# Altium PCB Zynq-Video-Board.PcbDoc (part 3 of 7) (continued)
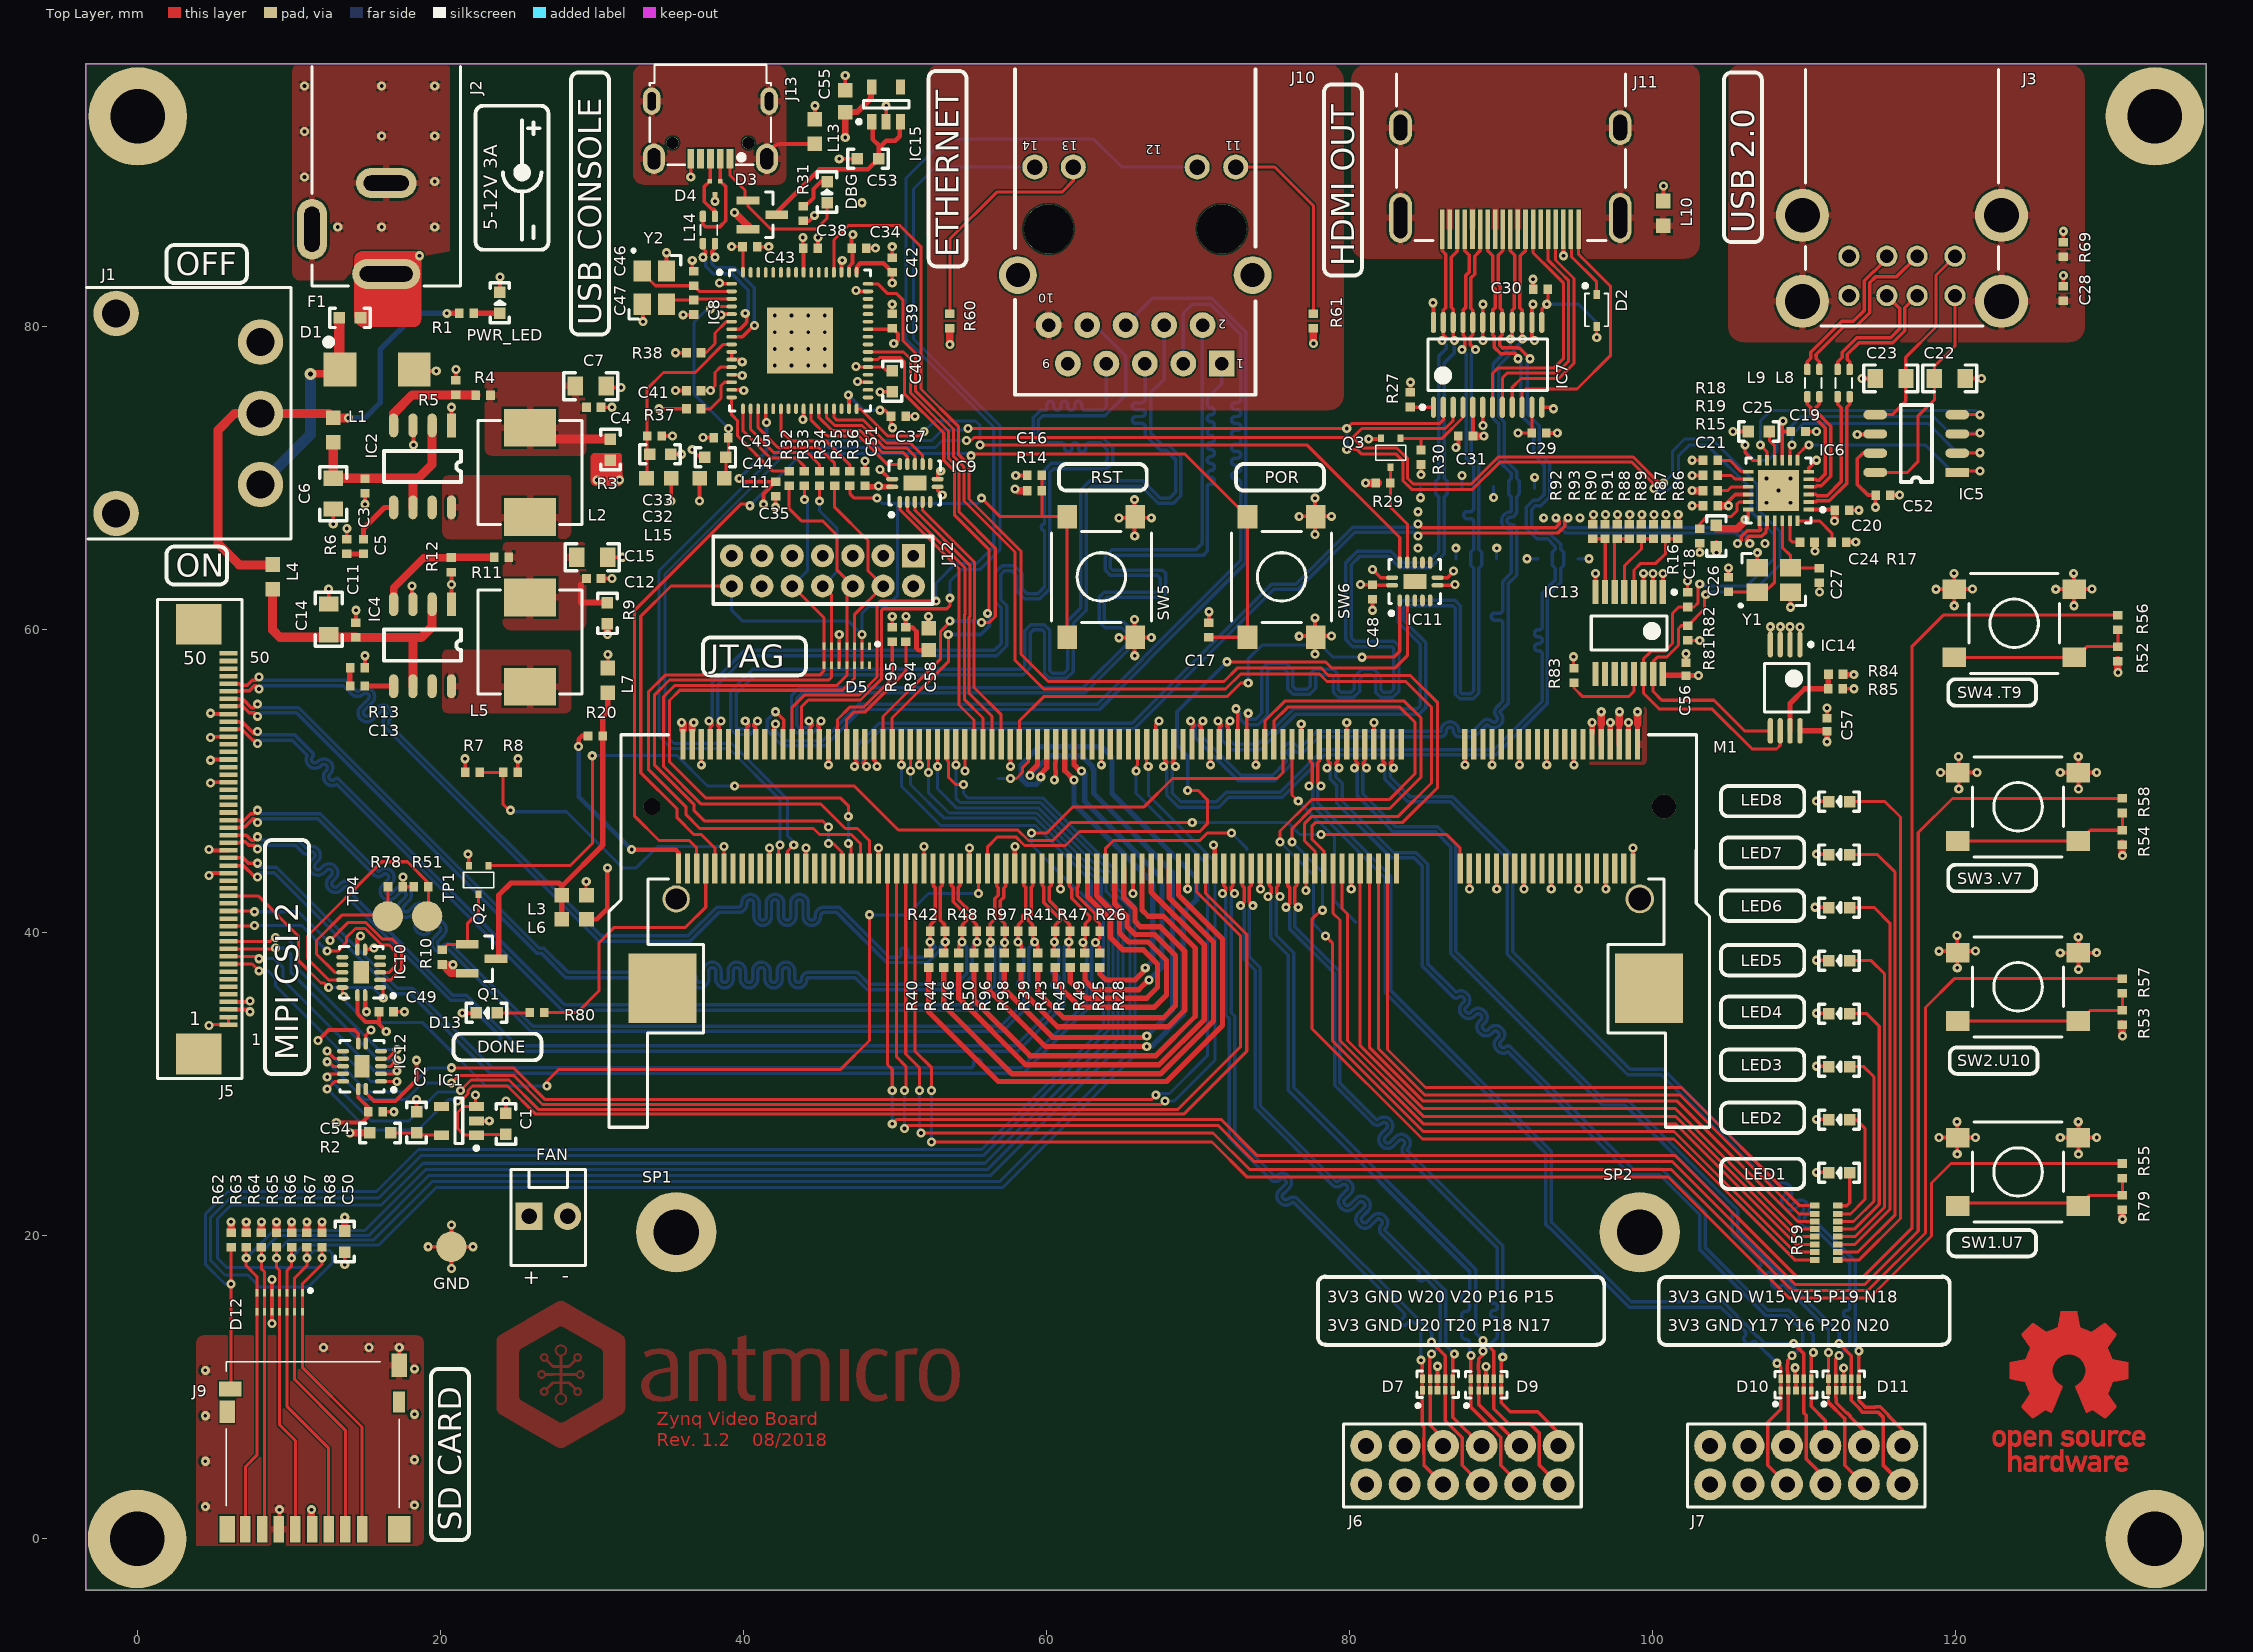
[diagram p0: Top Layer view]
## Nets (pads, with @x,y where several pads share a name; then routed paths per layer and width w, separated by ;. In a path a pad name is that pad's centre, name@x,y a point inside that pad or via, vN(x,y) a via of type N, cw(c..) or ccw(c..) an arc to the next point about the centre after c; other vN are vias at no path point) (continued)
LP_CSI2_CLK_P: M1.121 R98.2 | length 39.6
  Top Layer w0.35: R98.2@57.25,37.72 57.25,36.3 60.45,33.1 v1@66.45,33.1 ; v1@58.95,50.6 59.441,51.091 M1.121@59.441,52.449
  Bottom Layer w0.35: v1(58.95,50.4) 58.95,50.413 60.237,51.7 62.35,51.7 63.075,50.975 63.075,50.862 63.15,50.787 63.15,49.2 68.35,44 68.35,34.9 v1(66.65,33.2)
LP_CSI2_D0_N: M1.96 R46.2 | length 32.7
  Top Layer w0.35: R46.2@54.25,37.72 54.25,35.7 58.65,31.3 67.45,31.3 70.45,34.3 70.45,39.2 66.941,42.709 M1.96@66.941,44.249
LP_CSI2_D0_P: M1.98 R50.2 | length 31.1
  Top Layer w0.35: R50.2@55.25,37.72 55.25,35.58 58.93,31.9 67.25,31.9 69.85,34.5 69.85,39 67.75,41.1 66.75,41.1 66.341,41.509 M1.98@66.341,44.249
LP_CSI2_D1_N: M1.90 R40.2 | length 37.3
  Top Layer w0.35: R40.2@52.25,37.72 52.25,34.8 56.85,30.2 67.95,30.2 71.65,33.9 71.65,39.6 68.741,42.509 M1.90@68.741,44.249
LP_CSI2_D1_P: M1.92 R44.2 | length 34.9
  Top Layer w0.35: R44.2@53.25,37.72 53.25,35.2 57.75,30.7 67.55,30.7 71.05,34.2 71.05,39.4 68.141,42.309 M1.92@68.141,44.249
MIO_SCL_3V3: IC7.2 IC13.14 IC14.6 M1.178 R82.1 | length 148.9
  Top Layer w0.2: M1.178@42.341,44.249 42.341,45.691 v1(42.45,45.8) ; v1(54.85,73.3) v1(79.85,73.3) 80.17,73.62 85.97,73.62 86.225,73.875 IC7.2@86.225,74.7 ; v1(79.85,71.9) 80.55,71.9 80.85,71.6 83.122,71.6 83.55,71.172 83.55,69.872 84.142,69.28 88.158,69.28 89.978,71.1 98.65,71.1 v1@100.25,69.5 ; R82.1@102.15,61.62 102.05,61.52 101.77,61.52 101.35,61.1 101.35,59.1 100.85,58.6 99.95,58.6 99.443,58.093 IC13.14@99.443,57.1 99.443,55.827 100.5,54.77 103.98,54.77 106.61,52.14 108.22,52.14 108.465,52.385 IC14.6@108.465,53.34 ; R82.1@102.25,61.52 R82.1@102.35,61.52 102.77,61.52 103.05,61.8 v1@103.05,62.9
  Bottom Layer w0.2: v1(42.45,45.8) 42.45,48.8 39.07,52.18 35.27,52.18 34.45,53 34.45,63.9 43.05,72.5 52.45,72.5 53.15,73.2 v1@54.75,73.2 ; v1(79.85,71.9) v1(79.85,73.3) ; v1(100.13,69.33) 100.26,69.2 101.05,69.2 101.75,69.9 101.75,71.5 102.45,72.2 103.65,72.2 106.55,69.3 106.55,67.8 108.05,66.3 108.05,64.7 106.25,62.9 v1@103.05,62.9
  other v1: 103.15,63.03
MIO_SDA_3V3: IC7.3 IC13.15 IC14.5 M1.176 R81.1 | length 144.9
  Top Layer w0.2: M1.176@42.941,44.249 42.941,45.391 v1(43.35,45.8) ; v1(54.75,72.5) 55.05,72.5 55.25,72.7 80.25,72.7 ; IC7.3@86.875,74.7 86.875,73.825 86.35,73.3 80.85,73.3 80.25,72.7 ; v1@100.55,69.624 98.754,71.42 89.846,71.42 88.046,69.62 84.254,69.62 83.87,70.004 83.87,71.304 83.174,72 80.95,72 80.25,72.7 ; v1@103.45,62.5 103.45,61.38 R81.1@102.35,60.28 101.93,60.28 101.75,60.1 101.75,59 100.95,58.2 100.35,58.2 100.078,57.927 IC13.15@100.078,57.1 100.078,55.932 100.65,55.36 104.09,55.36 106.11,53.34 IC14.5@107.815,53.34
  Bottom Layer w0.2: v1(43.35,45.8) 43.35,46 42.95,46.4 42.95,48.8 39.25,52.5 35.45,52.5 34.85,53.1 34.85,63.7 43.2,72.05 52.7,72.05 53.15,72.5 v1(54.75,72.5) ; v1(100.75,69.7) 101.35,70.3 101.35,71.8 102.15,72.6 103.95,72.6 106.95,69.6 106.95,68 108.45,66.5 108.45,64.3 106.65,62.5 v1@103.45,62.5
  other v1: 103.55,62.33
MUSB_SHIELD: J13.S L13.1 | length 3.7
  Top Layer w0.25: J13.S@41.575,91.1 cw(c42.56,91.1) 42.56,92.085 L13.1@44.75,92.085
NetC2_2: C2.2 IC1.6 R2.1 | length 3.4
  Top Layer w0.2: R2.1@16.749,26.8 16.75,26.801 C2.2@18.45,26.801 18.602,26.65 IC1.6@20.1,26.65
NetC3_2: C3.2 C6.2 IC2.2 IC2.6 L1.2 | length 13.8
  Top Layer w0.6: L1.2@12.95,72.385 C6.2@12.95,70.016 18.15,70.016 ; IC2.6@18.21,68.09 18.21,69.956 18.15,70.016 ; IC2.2@19.48,73.5 19.48,70.93 18.566,70.016 18.15,70.016
NetC4_2: C4.2 C7.2 L2.2 R3.1 R4.2 | length 4.5
  Top Layer w0.6: L2.2@26.702,72.598 R3.1@31.25,72.598
NetC5_1: C5.1 R6.2 | length 1.1
  Top Layer w0.35: R6.2@13.85,65.02 C5.1@14.95,65.02
NetC5_2: C5.2 IC2.5 | length 3.3
  Top Layer w0.35: C5.2@14.95,65.98 14.95,66.7 16.34,68.09 IC2.5@16.94,68.09
NetC11_2: C11.2 C14.2 IC4.2 IC4.6 L4.2 | length 18.4
  Top Layer w0.6: L4.2@8.95,62.685 8.95,60 9.43,59.52 C11.2@14.45,59.52 ; C11.2@14.45,59.5 18.15,59.5 ; IC4.6@18.21,56.29 18.21,59.44 18.15,59.5 ; IC4.2@19.48,61.7 19.48,60.23 18.75,59.5 18.15,59.5
NetC13_1: C13.1 R13.2 | length 1.1
  Top Layer w0.35: C13.1@14.05,56.28 R13.2@14.05,57.42
NetC13_2: C13.2 IC4.5 | length 1.9
  Top Layer w0.2: IC4.5@16.93,56.3 IC4.5@16.94,56.29
  Top Layer w0.35: C13.2@15.03,56.3 IC4.5@16.93,56.3
NetC24_2: C24.2 IC6.23 | length 2
  Top Layer w0.2: IC6.23@109.1,67.2 109.1,65.95 109.25,65.8 C24.2@109.77,65.8
NetC25_2: C25.2 IC6.10 | length 2
  Top Layer w0.2: C25.2@107.748,73.1 107.748,72.502 108.1,72.15 IC6.10@108.1,71.2
NetC26_2: C26.2 IC6.21 Y1.1 | length 7.4
  Top Layer w0.2: C26.2@105.05,62.52 105.07,62.5 Y1.1@106.95,62.5 107.45,62.5 108.1,63.15 IC6.21@108.1,67.2
NetC27_2: C27.2 IC6.22 Y1.3 | length 5.2
  Top Layer w0.2: IC6.22@108.6,67.2 108.6,65.45 109.15,64.9 Y1.3@109.15,64.1 109.17,64.08 C27.2@111.05,64.08
NetC32_1: C32.1 C33.2 IC8.9 L15.2 | length 12.7
  Top Layer w0.2: L15.2@33.635,70 33.67,70.035 C33.2@33.67,72.8 33.67,75.92 34.75,77 36.85,77 38.7,78.85 IC8.9@39.25,78.85
NetC44_1: C44.1 C45.2 IC8.4 L11.2 | length 14.5
  Top Layer w0.2: v1(37.85,81.2) 38,81.35 IC8.4@39.25,81.35 ; L11.2@38.765,70 38.868,70.103 C44.1@38.868,71.4 38.97,71.4 39.03,71.46 C45.2@39.03,72.7 ; C45.2@39.03,72.6 39.03,73.28 v1(39.05,73.3)
  Bottom Layer w0.2: v1@37.85,81.4 36.75,80.3 36.75,75.6 v1(39.05,73.3)
NetC46_2: C46.2 IC8.2 Y2.1 | length 6.5
  Top Layer w0.2: Y2.1@33.35,83.7 33.35,83.6 34.23,82.72 C46.2@36.75,82.72 37.12,82.35 IC8.2@39.25,82.35
NetC47_2: C47.2 IC8.3 Y2.3 | length 4.4
  Top Layer w0.2: Y2.3@34.95,81.5 35.23,81.78 C47.2@36.75,81.78 36.82,81.85 IC8.3@39.25,81.85
NetD2_C: D2.C J11.18 | length 5
  Top Layer w0.2: J11.18@94.65,86.44 94.675,86.415 94.675,84.655 96.35,82.98 D2.C@96.35,82.155
NetD13_A: D13.A R80.1 | length 2.2
  Top Layer w0.2: D13.A@23.778,34.73 25.91,34.73 R80.1@25.93,34.75
NetDBG_K: DBG.K R31.2 | length 2.6
  Top Layer w0.25: R31.2@44.03,87.9 44.65,88.52 44.65,89.1 45.148,89.598 DBG.K@45.55,89.598
NetIC2_4: IC2.4 R4.1 R5.2 | length 6.7
  Top Layer w0.6: IC2.4@16.94,73.5 16.94,74.29 18.17,75.52 R5.2@21.05,75.52 ccw(c21.07,75.52) 21.07,75.5 R4.1@22.37,75.5
NetIC2_8: IC2.8 L2.1
NetIC4_4: IC4.4 R11.1 R12.2 | length 8.6
  Top Layer w0.2: R12.2@20.75,64.78 R12.2@20.77,64.8
  Top Layer w0.5: IC4.4@16.94,61.7 16.94,62.79 18.93,64.78 R12.2@20.75,64.78 ; R12.2@20.77,64.8 R11.1@23.57,64.8
NetIC4_8: IC4.8 L5.1 | length 0.1
  Top Layer w0.2: IC4.8@20.75,56.29 IC4.8@20.79,56.25
NetIC6_13: IC6.13 R18.1 | length 2.3
  Top Layer w0.2: R18.1@104.33,71.2 105.15,71.2 105.9,70.45 IC6.13@106.35,70.45
NetIC6_14: IC6.14 R19.1 | length 2.1
  Top Layer w0.2: R19.1@104.33,70.2 105.25,70.2 105.5,69.95 IC6.14@106.35,69.95
NetIC6_15: IC6.15 R15.2 | length 2.1
  Top Layer w0.2: R15.2@104.33,69.2 105,69.2 105.25,69.45 IC6.15@106.35,69.45
NetIC6_17: IC6.17 R16.1 | length 4.4
  Top Layer w0.2: R16.1@103.15,66.68 103.15,67 103.65,67.5 105.25,67.5 105.6,67.85 105.6,68.3 105.75,68.45 IC6.17@106.35,68.45
NetIC6_24: IC6.24 R17.2 | length 3.2
  Top Layer w0.2: IC6.24@109.6,67.2 111.05,67.2 111.87,66.38 R17.2@111.87,65.8
NetIC8_6: IC8.6 R38.2 | length 3.3
  Top Layer w0.2: R38.2@37.23,78.3 37.55,78.3 38.15,78.9 38.15,79.6 38.9,80.35 IC8.6@39.25,80.35
NetIC8_14: IC8.14 R37.2 | length 3.2
  Top Layer w0.2: R37.2@37.23,74.6 37.85,74.6 38.55,75.3 38.55,76.127 38.773,76.35 IC8.14@39.25,76.35
NetIC8_16: IC8.16 R32.1 | length 7.1
  Top Layer w0.2: IC8.16@39.25,75.35 39.25,74.2 39.65,73.8 39.65,72.8 41.97,70.48 R32.1@43.05,70.48
NetIC8_17: IC8.17 R33.1 | length 6.8
  Top Layer w0.2: IC8.17@40,74.6 40,73.15 41.8,71.35 43.5,71.35 44.05,70.8 R33.1@44.05,70.48
NetIC8_18: IC8.18 R34.1 | length 7.3
  Top Layer w0.2: IC8.18@40.5,74.6 40.5,73.25 42.05,71.7 44.25,71.7 45.05,70.9 R34.1@45.05,70.48
NetIC8_19: IC8.19 R35.1 | length 7.8
  Top Layer w0.2: IC8.19@41,74.6 41,73.35 42.3,72.05 45,72.05 46.05,71 R35.1@46.05,70.48
NetIC8_22: IC8.22 R36.1 | length 7.4
  Top Layer w0.2: IC8.22@42.5,74.6 42.5,73.15 43.17,72.48 45.47,72.48 47.05,70.9 R36.1@47.05,70.48
NetIC8_36: IC8.36
NetIC8_60: IC8.60
NetIC13_13: IC13.13 R83.1 | length 5.8
  Top Layer w0.2: R83.1@94.85,56.52 94.85,56.175 95.425,55.6 98.45,55.6 98.808,55.957 IC13.13@98.808,57.1
NetIC14_7: IC14.7 R84.1 R85.2 | length 5.7
  Top Layer w0.35: IC14.7@109.115,53.34 109.115,55.155 110.08,56.12 R85.2@111.64,56.12 111.64,57.07 R84.1@111.65,57.08
NetJ10_11: J10.11 R61.1 | length 13.1
  Top Layer w0.2: J10.11@72.52,90.554 75.096,90.554 77.65,88 R61.1@77.65,81.098
NetJ10_13: J10.13 R60.1 | length 15.4
  Top Layer w0.2: R60.1@53.65,81.098 53.65,85.8 56.75,88.9 61.05,88.9 61.8,89.65 J10.13@61.8,90.554
NetLED1_A: LED1.A R59.16 | length 2.9
  Top Layer w0.23: R59.16@112.25,22 112.85,22 113.049,22.199 LED1.A@113.049,24.17
NetLED2_A: LED2.A R59.15 | length 8.1
  Top Layer w0.2: R59.15@112.25,21.45 113.1,21.45 114.05,22.4 114.05,27.1 113.48,27.67 LED2.A@113.049,27.67
NetLED3_A: LED3.A R59.14 | length 13
  Top Layer w0.2: R59.14@112.25,20.95 113.3,20.95 114.65,22.3 114.65,30.5 113.98,31.17 LED3.A@113.049,31.17
NetLED4_A: LED4.A R59.13 | length 17.5
  Top Layer w0.2: R59.13@112.25,20.45 113.349,20.45 115,22.101 115,33.85 114.18,34.67 LED4.A@113.049,34.67
NetLED5_A: LED5.A R59.12 | length 22
  Top Layer w0.2: R59.12@112.25,19.95 113.4,19.95 115.35,21.9 115.35,37.3 114.48,38.17 LED5.A@113.049,38.17
NetLED6_A: LED6.A R59.11 | length 26.4
  Top Layer w0.2: R59.11@112.25,19.45 113.4,19.45 115.7,21.75 115.7,40.65 114.68,41.67 LED6.A@113.049,41.67
NetLED7_A: LED7.A R59.10 | length 30.9
  Top Layer w0.2: R59.10@112.25,18.95 113.6,18.95 116.05,21.4 116.05,31.08 116.05,44 114.88,45.17 LED7.A@113.049,45.17
NetLED8_A: LED8.A R59.9 | length 35.6
  Top Layer w0.2: R59.9@112.25,18.4 113.65,18.4 116.4,21.15 116.4,47.65 115.38,48.67 LED8.A@113.049,48.67
NetM1_65: M1.65 TP7.1 | length 13.5
  Top Layer w0.2: M1.65@76.241,52.449 76.241,49.109 v1(76.65,48.7)
  Bottom Layer w0.2: v1(76.65,48.7) 76.657,48.7 79.05,46.307 79.05,42.1 TP7.1@80.45,40.7
NetM1_106: M1.106 TP5.1 | length 11.6
  Top Layer w0.2: M1.106@63.941,44.249 63.941,45.591 64.45,46.1 70.15,46.1 70.65,46.6 v1(72.25,46.6)
  Bottom Layer w0.2: v1(72.25,46.6) 73.25,45.6 TP5.1@73.25,45.5
NetM1_123: M1.123 TP6.1 | length 3.6
  Top Layer w0.2: v1(57.65,50.2) 58.05,50.2 58.45,50.6 58.45,50.907 58.841,51.298 M1.123@58.841,52.449
  Bottom Layer w0.2: TP6.1@56.83,50.2 v1@57.45,50.2
NetM1_163: M1.163 R94.2 | length 8.8
  Top Layer w0.2: M1.163@46.85,52.44 M1.163@46.841,52.449 46.841,54.091 47.35,54.6 48.074,54.6 50.75,57.276 R94.2@50.75,59.22
NetM1_165: M1.165 R95.2 | length 8.8
  Top Layer w0.2: M1.165@46.241,52.449 46.241,54.091 47.05,54.9 47.95,54.9 49.85,56.8 R95.2@49.85,59.22
NetM1_200: M1.200 R20.1 | length 13.2
  Top Layer w0.3: v1(29.15,52.3) 29.15,52.8 29.35,53 R20.1@29.77,53 ; v1(32.65,45.5) 35.55,45.5 35.741,45.309 M1.200@35.741,44.7
  Bottom Layer w0.3: v1(29.15,52.3) 29.15,49 v1(32.65,45.5)
NetPWR_LED_A: PWR_LED.A R1.1 | length 1.7
  Top Layer w0.35: R1.1@22.23,80.9 22.231,80.901 PWR_LED.A@23.95,80.901
NetQ1_1: Q1.1 Q2.3 R10.1 | length 5.4
  Top Layer w0.2: R10.1@20.15,38.88 20.52,39.25 Q1.1@21.8,39.25 21.8,40.616 22.55,41.366 Q2.3@22.55,42.55
NetR52_1: R52.1 R56.2 SW4.1 SW4.2 | length 12.2
  Top Layer w0.2: SW4.2@119.935,58.19 SW4.1@127.885,58.19 128,58.19 128.705,58.895 R52.1@130.75,58.895 R56.2@130.75,60.02
NetR53_1: R53.1 R57.2 SW2.1 SW2.2 | length 12.3
  Top Layer w0.2: SW2.2@120.185,34.19 SW2.1@128.135,34.19 128.24,34.19 128.945,34.895 R53.1@131.05,34.895 R57.2@131.05,36.02
NetR54_1: R54.1 R58.2 SW3.1 SW3.2 | length 12.3
  Top Layer w0.2: SW3.2@120.185,46.075 SW3.1@128.135,46.075 128.225,46.075 128.93,46.78 R54.1@131.05,46.78 R58.2@131.05,47.92
NetR55_2: R55.2 R79.1 SW1.1 SW1.2 | length 12.6
  Top Layer w0.2: SW1.2@120.185,22.19 SW1.1@128.35,22.19 ; SW1.1@128.135,21.975 SW1.1@128.35,22.19 ; R55.2@131.05,23.92 R55.2@131.05,23.82 R79.1@131.05,22.68 128.84,22.68 SW1.1@128.35,22.19
P0: IC13.4 R86.1 R87.1 | length 5.8
  Top Layer w0.2: IC13.4@98.808,62.5 98.808,63.957 99.25,64.4 100.25,64.4 100.9,65.05 R87.1@100.9,66.02 R86.1@101.7,66.02
P1: IC13.5 R88.1 R89.1 | length 4.8
  Top Layer w0.2: IC13.5@98.173,62.5 98.173,64.223 99.3,65.35 R88.1@99.3,66.02 R89.1@100.1,66.02
P2: IC13.6 R90.1 R91.1 | length 4.4
  Top Layer w0.2: IC13.6@97.538,62.5 97.538,65.858 R90.1@97.7,66.02 R91.1@98.5,66.02
P3: IC13.7 R92.1 R93.1 | length 4.3
  Top Layer w0.23: R92.1@96.1,66.02 R93.1@96.9,66.02 96.9,62.503 IC13.7@96.903,62.5
POR_LOADN: C17.2 M1.196 SW6.1 SW6.2 | length 76.9
  Top Layer w0.2: M1.196@36.941,44.249 36.941,45.612 36.453,46.1 34.45,46.1 32.85,47.7 32.85,61.3 39.85,68.3 v1@40.45,68.3 ; v1(55.05,71.5) 55.15,71.6 69.175,71.6 SW6.2@73.3,67.475 SW6.1@73.3,59.525 73.295,59.52 C17.2@70.75,59.52
  Bottom Layer w0.2: v1(40.45,68.2) 43.9,71.65 54.9,71.65 v1@54.95,71.6
PWR_EN: M1.13
PWR_GOOD: M1.40 Q2.1 | length 75.7
  Top Layer w0.2: Q2.1@23.2,44.45 28.6,44.45 30.05,45.9 30.05,51.5 v1@29.85,51.7 ; v1(39.45,49.7) 47.35,49.7 50.25,46.8 58.143,46.8 58.843,46.1 60.45,46.1 61.65,47.3 69.55,47.3 v1@69.65,47.4 ; v1(78.15,46.5) 86.45,46.5 87.341,45.609 M1.40@87.341,44.249
  Bottom Layer w0.2: v1@29.85,51.7 35.65,51.7 37.65,49.7 v1(39.45,49.7) ; v1(69.65,47.3) 75.95,47.3 76.75,46.5 v1(78.15,46.5)
  other v1: 30.05,51.7
SDIO_CD#: J9.9 M1.67 R62.1 | length 114.3
  Top Layer w0.2: J9.9@6.154,9.894 6.209,9.949 R62.1@6.209,19.249 ; v1(59.05,46.6) 60.05,46.6 61.75,48.3 66.45,48.3 68.35,50.2 75.25,50.2 75.641,50.591 M1.67@75.641,52.449
  Bottom Layer w0.2: v1(6.209,16.829) 5.809,16.829 4.509,18.129 4.509,21.429 6.009,22.929 15.809,22.929 18.579,25.7 55.75,25.7 63.79,33.74 63.79,40.902 62.69,42.002 62.69,42.262 62.257,42.695 62.155,42.695 59.05,45.8 v1(59.05,46.6)
SDIO_CLK: D12.11 J9.5 M1.139 R65.1 | length 108.9
  Top Layer w0.2: R65.1@9.209,19.249 v1(9.209,18.534) 9.209,17.929 9.409,17.729 D12.11@9.409,16.254 D12.11@9.409,15.004 9.409,7.529 10.454,6.484 J9.5@10.454,0.655 ; v1(54.05,51.1) M1.139@54.05,51.92
  Bottom Layer w0.2: v1(9.209,18.534) 9.209,18.929 9.999,19.72 15.599,19.72 19.479,23.6 56.95,23.6 65.55,32.2 65.55,41.621 64.35,42.821 64.35,43.9 59.65,48.6 54.35,48.6 54.05,48.9 v1(54.05,51.1)
SDIO_CMD: D12.12 J9.3 M1.141 R66.1 | length 108.9
  Top Layer w0.2: R66.1@10.209,19.249 v1(10.209,18.534) 10.209,18.029 9.909,17.729 D12.12@9.909,16.254 D12.12@9.909,15.004 9.909,8.729 12.654,5.984 J9.3@12.654,0.655 ; 53.45,51.42 53.55,51.32 53.55,50.3 54.05,49.8 v1(54.55,49.8)
  Bottom Layer w0.2: v1(10.209,18.534) 10.209,18.604 11.005,19.4 15.95,19.4 19.75,23.2 57.15,23.2 65.87,31.92 65.87,41.754 65.35,42.274 65.35,42.293 64.67,42.973 64.67,44.033 59.783,48.92 54.83,48.92 54.55,49.2 v1(54.55,49.8)
SDIO_D0: D12.9 J9.7 M1.143 R64.1 | length 109.7
  Top Layer w0.2: R64.1@8.209,19.249 v1(8.209,18.534) 8.209,17.829 8.409,17.629 D12.9@8.409,16.254 D12.9@8.409,15.004 8.409,0.9 8.209,0.7 J9.7@8.254,0.655 ; M1.143@52.841,52.449 52.841,51.009 v1(52.85,51)
  Bottom Layer w0.2: v1(8.209,18.534) 8.209,18.929 9.319,20.04 15.319,20.04 19.279,24 56.35,24 65.07,32.72 65.07,41.649 63.97,42.749 63.97,43.788 59.518,48.24 54.11,48.24 52.85,49.5 v1(52.85,51)
SDIO_D1: D12.8 J9.8 M1.145 R63.1 | length 109.7
  Top Layer w0.2: J9.8@7.154,0.655 7.154,4.774 7.909,5.529 D12.8@7.909,15.004 D12.8@7.909,16.254 7.909,17.329 7.209,18.029 R63.1@7.209,19.249 ; v1(52.25,50.6) 52.25,51.42
  Bottom Layer w0.2: v1@7.204,18.529 v1(7.209,18.534) 9.034,20.36 15.039,20.36 19.079,24.4 56.15,24.4 64.75,33 64.75,41.3 63.65,42.4 63.65,43.655 59.386,47.92 53.592,47.92 52.25,49.262 v1(52.25,50.6)
SDIO_D2: D12.14 J9.1 M1.149 R68.1 | length 122.5
  Top Layer w0.2: R68.1@12.209,19.249 v1(12.209,18.534) 12.209,18.129 10.909,16.829 D12.14@10.909,16.254 D12.14@10.909,15.004 10.909,11.329 14.854,7.384 J9.1@14.854,0.655 ; v1(51.05,50.7) M1.149@51.05,51.52
  Bottom Layer w0.2: v1(12.209,18.534) 12.209,18.129 12.009,17.929 5.909,17.929 5.309,18.529 5.309,21.129 6.209,22.029 16.109,22.029 18.879,24.8 55.974,24.8 64.43,33.256 64.43,41.167 63.33,42.267 63.33,43.52 59.25,47.6 53.25,47.6 51.05,49.8 v1(51.05,50.7)
SDIO_D3: D12.13 J9.2 M1.151 R67.1 | length 127.2
  Top Layer w0.2: R67.1@11.209,19.249 11.209,18.029 10.409,17.229 D12.13@10.409,16.254 D12.13@10.409,15.004 10.409,10.529 13.754,7.184 J9.2@13.754,0.655 ; v1(50.45,51.1) M1.151@50.45,51.92
  Bottom Layer w0.2: v1(11.209,18.534) 11.709,19.034 12.704,19.034 12.909,18.829 12.909,18.229 11.309,16.629 8.109,16.629 7.309,17.429 5.809,17.429 4.85,18.388 4.85,21.2 6.15,22.5 15.95,22.5 18.75,25.3 55.85,25.3 64.11,33.56 64.11,41.035 63.01,42.135 63.01,43.387 59.297,47.1 53.05,47.1 50.45,49.7 v1(50.45,51.1)
SHIELD: J11.2 J11.5 J11.8 J11.11 J11.S L10.2
SHIELD_USB: C28.2 J3.S1 J3.S2 J3.S3 J3.S4 R69.2
SRST_RDYN: C16.2 D5.13 J12.14 M1.192 R14.2 R36.2 SW5.1 SW5.2 | length 75.5
  Top Layer w0.2: M1.192@38.141,44.249 38.141,45.609 37.25,46.5 36.75,46.5 35.65,47.6 35.65,48.176 33.25,50.576 33.25,60.9 35.25,62.9 J12.14@39.25,62.9 ; R36.2@47.05,69.52 47.05,69 47.35,68.7 v1(48.85,68.7) ; D5.13@47.85,57.675 D5.13@47.85,58.925 ; D5.13@47.85,58.98 v1(47.85,59.705) ; v1(55.75,68.7) 56.975,67.475 59.65,67.475 ; C16.2@59.73,70.2 59.73,67.555 59.65,67.475 ; SW5.1@61.4,59.525 SW5.2@61.4,67.475 59.65,67.475
  Bottom Layer w0.2: J12.14@39.25,62.9 39.25,61.3 39.95,60.6 46.955,60.6 v1(47.85,59.705) 47.85,61.1 48.3,61.55 49.462,61.55 50.212,62.3 50.212,68.338 ; v1(48.85,68.7) 49.212,68.338 50.212,68.338 ; v1(55.75,68.7) 55.75,68.6 55.488,68.338 50.212,68.338
TMDS_CLK_N: IC7.15 J11.12 M1.87 R70.1 | length 63.2
  Top Layer w0.23: v1(69.55,54) 69.766,53.784 69.766,53.689 69.641,53.564 M1.87@69.641,52.449 ; v1(91.45,79.2) 91.425,79.225 91.425,81.11 91.26,81.275 91.26,82.525 91.3,82.565 91.3,82.607 91.31,82.617 91.31,84.69 91.65,85.03 J11.12@91.65,86.44
  Bottom Layer w0.23: v1(69.55,54) 69.85,53.7 69.85,53.205 69.854,53.202 69.854,52.902 72.705,50.05 75.1,50.05 76.057,51.007 ccw(c75.704,51.36) 76.203,51.36 ccw(c75.704,51.36) 76.057,51.713 75.95,51.82 cw(c76.055,51.926) 75.95,52.031 76.065,52.146 ; 76.065,52.146 cw(c76.17,52.04) 76.275,52.146 76.383,52.038 ccw(c76.735,52.391) 77.088,52.038 78,52.95 86.02,52.95 ccw(c86.02,53.36) 86.43,53.36 cw(c86.66,53.36) 86.89,53.36 ccw(c87.3,53.36) 87.3,52.95 88.3,52.95 89.077,53.727 cw(c89.12,53.685) 89.162,53.727 ccw(c89.572,54.137) 90.152,54.137 ccw(c89.572,54.137) 89.982,54.547 cw(c90.025,54.59) 89.982,54.632 90.497,55.147 90.497,63.053 91.065,63.62 91.065,66.57 ccw(c90.655,66.57) 90.655,66.98 cw(c90.655,67.21) 90.655,67.44 ccw(c90.655,67.85) 91.065,67.85 91.065,68.79 91.25,68.975 R70.1@91.25,69.4 91.25,69.825 91.065,70.01 91.065,70.485 90.25,71.3 90.25,73.725 89.875,74.1 89.875,77.43 91,78.555 91,78.65 91.45,79.1 v1(91.45,79.2)
TMDS_CLK_P: IC7.16 J11.10 M1.85 R71.1 | length 62.6
  Top Layer w0.23: M1.85@70.241,52.449 70.241,53.564 70.116,53.689 70.116,53.766 v1(70.35,54) ; J11.10@90.65,86.44 90.65,85.03 90.95,84.73 90.95,82.71 90.91,82.67 90.91,81.245 90.775,81.11 90.775,79.49
  Bottom Layer w0.23: v1(70.35,54) 70.204,53.854 70.204,53.046 72.85,50.4 74.955,50.4 75.81,51.255 ccw(c75.704,51.36) 75.853,51.36 ccw(c75.704,51.36) 75.81,51.465 75.702,51.573 cw(c76.055,51.926) 75.702,52.279 75.817,52.393 cw(c76.17,52.04) 76.523,52.393 76.63,52.286 ccw(c76.735,52.391) 76.841,52.286 77.855,53.3 86.02,53.3 ccw(c86.02,53.36) 86.08,53.36 cw(c86.66,53.36) 87.24,53.36 ccw(c87.3,53.36) 87.3,53.3 88.155,53.3 88.83,53.975 cw(c89.12,53.685) 89.41,53.975 ccw(c89.572,54.137) 89.734,53.974 ccw(c89.572,54.137) 89.802,54.137 ccw(c89.572,54.137) 89.735,54.3 cw(c90.025,54.59) 89.735,54.88 90.147,55.292 90.147,60.443 ccw(c89.94,60.443) 89.94,60.65 89.604,60.65 cw(c89.604,60.857) 89.397,60.857 89.397,60.903 cw(c89.604,60.903) 89.604,61.11 89.94,61.11 ccw(c89.94,61.317) 90.147,61.317 90.147,63.197 90.25,63.3 90.715,63.765 90.715,66.57 ccw(c90.655,66.57) 90.655,66.63 cw(c90.655,67.21) 90.655,67.79 ccw(c90.655,67.85) 90.715,67.85 90.715,68.79 90.53,68.975 R71.1@90.53,69.4 90.53,69.825 90.715,70.01 90.715,70.34 89.9,71.155 89.9,73.58 89.525,73.955 89.525,77.575 89.54,77.59 90.65,78.7 v1(90.65,79.2)
TMDS_D0_N: IC7.17 J11.9 M1.93 R72.1 | length 68.2
  Top Layer w0.23: v1(67.75,51) 67.975,51.225 67.975,51.3 67.941,51.334 67.841,51.334 M1.93@67.841,52.449 ; J11.9@90.15,86.44 90.15,85.03 89.85,84.73 89.85,82.81 89.99,82.67 89.99,81.245 90.125,81.11 90.125,79.49 89.95,79.315 89.95,78.79 90.15,78.59 90.18,78.62 91.125,78.62 91.155,78.59 91.26,78.59 v1(91.95,77.9)
  Bottom Layer w0.23: v1(67.75,51) 67.975,50.775 67.975,49.08 68.755,48.3 71.4,48.3 72.05,48.95 75.6,48.95 78.4,51.75 89.695,51.75 93.1,55.155 93.1,62.28 93.975,63.155 93.975,64.08 94.17,64.275 R72.1@94.17,64.7 94.17,65.125 93.975,65.32 93.975,65.645 93.26,66.36 93.115,66.36 ; v1(91.95,77.9) 91.75,77.7 91.75,74.275 92.55,73.475 92.55,71.7 93.15,71.1 93.253,70.997 93.253,68.808 93.15,68.705 92.645,68.2 92.3,68.2 92.05,67.95 92.05,66.86 92.55,66.36 93.115,66.36
TMDS_D0_P: IC7.18 J11.7 M1.91 R73.1 | length 68
  Top Layer w0.23: M1.91@68.441,52.449 68.441,51.334 68.359,51.334 68.325,51.3 68.325,51.225 v1(68.55,51) ; J11.7@89.15,86.44 89.15,85.03 89.49,84.69 89.49,82.717 89.5,82.707 89.5,82.665 89.64,82.525 89.64,81.275 89.475,81.11 89.475,79.49 89.6,79.365 89.6,78.645 90.005,78.24 90.295,78.24 90.325,78.27 90.98,78.27 91.15,78.1 v1(91.15,77.9)
  Bottom Layer w0.23: v1(68.55,51) 68.325,50.775 68.325,49.225 68.9,48.65 71.255,48.65 71.905,49.3 75.455,49.3 78.255,52.1 89.55,52.1 92.75,55.3 92.75,58.423 ccw(c92.543,58.423) 92.543,58.63 92.457,58.63 cw(c92.457,58.837) 92.25,58.837 92.25,58.883 cw(c92.457,58.883) 92.457,59.09 92.543,59.09 ccw(c92.543,59.297) 92.75,59.297 92.75,59.343 ccw(c92.543,59.343) 92.543,59.55 92.457,59.55 cw(c92.457,59.757) 92.25,59.757 92.25,59.803 cw(c92.457,59.803) 92.457,60.01 92.543,60.01 ccw(c92.543,60.217) 92.75,60.217 92.75,62.425 93.625,63.3 93.625,64.08 93.43,64.275 R73.1@93.43,64.7 93.43,65.125 93.625,65.32 93.625,65.5 93.115,66.01 92.405,66.01 ; v1(91.15,77.9) 91.35,77.7 91.35,74.18 92.2,73.33 92.2,71.555 92.903,70.853 92.903,68.953 92.5,68.55 92.155,68.55 91.7,68.095 91.7,66.715 92.303,66.113
TMDS_D1_N: IC7.20 J11.6 M1.81 R74.1 | length 67.5
  Top Layer w0.23: v1(71.35,54) 71.566,53.784 71.566,53.689 71.441,53.564 M1.81@71.441,52.449 ; v1(88.35,78.5) 88.01,78.839 88.01,79.325 88.175,79.49 88.175,81.11 88.04,81.245 88.04,83.23 88.3,83.49 88.3,84.68 88.65,85.03 J11.6@88.65,86.44
  Bottom Layer w0.23: 71.566,53.784 71.6,53.75 71.6,52.746 72.247,52.099 74.149,52.099 76.5,54.45 84.645,54.45 85.05,54.855 85.05,59.2 83.6,60.65 83.6,61.45 83.75,61.6 86.85,61.6 87,61.45 87,55.755 87.305,55.45 88.195,55.45 88.575,55.83 88.575,64.08 88.77,64.275 R74.1@88.77,64.7 88.77,65.125 88.575,65.32 88.575,70.975 88.075,71.475 88.075,78.225 v1(88.35,78.5)
TMDS_D1_P: IC7.21 J11.4 M1.79 R75.1 | length 67.5
  Top Layer w0.23: M1.79@72.041,52.449 72.041,53.564 71.916,53.689 71.916,53.766 v1(72.15,54) ; v1(87.45,78.5) 87.65,78.7 87.65,79.365 87.525,79.49 87.525,81.11 87.69,81.275 87.69,83.375 87.95,83.635 87.95,84.73 87.903,84.777 87.65,85.03 J11.4@87.65,86.44
  Bottom Layer w0.23: v1(72.15,54) 71.95,53.8 71.95,52.891 72.392,52.449 74.004,52.449 76.355,54.8 84.5,54.8 84.7,55 84.7,59.055 83.25,60.505 83.25,61.595 83.605,61.95 86.995,61.95 87.35,61.595 87.35,55.9 87.45,55.8 88.05,55.8 88.225,55.975 88.225,64.08 88.03,64.275 R75.1@88.03,64.7 88.03,65.125 88.225,65.32 88.225,67.143 ccw(c88.018,67.143) 88.018,67.35 87.782,67.35 cw(c87.782,67.557) 87.575,67.557 87.575,67.603 cw(c87.782,67.603) 87.782,67.81 88.018,67.81 ccw(c88.018,68.017) 88.225,68.017 88.225,70.83 87.725,71.33 87.725,78.225 v1(87.45,78.5)
TMDS_D2_N: IC7.22 J11.3 M1.77 R76.1 | length 63.4
  Top Layer w0.23: v1(72.55,54.8) 72.665,54.685 72.665,52.473 M1.77@72.641,52.449 ; v1(86.95,79.1) 86.875,79.175 IC7.22@86.875,80.3 86.875,81.175 86.74,81.31 86.74,84.59 87.15,85 J11.3@87.15,86.44
  Bottom Layer w0.23: v1(72.55,54.8) 72.775,54.575 72.775,54.155 73.18,53.75 73.995,53.75 74.497,54.253 74.6,54.355 74.6,57.255 74.795,57.45 75.705,57.45 75.95,57.205 75.95,56.105 76.305,55.75 77.4,55.75 77.8,56.15 77.8,56.955 77.895,57.05 78.805,57.05 78.95,56.905 78.95,55.905 79.203,55.653 79.305,55.55 80.295,55.55 80.7,55.955 80.7,56.755 80.995,57.05 81.505,57.05 81.75,56.805 81.75,55.9 82.1,55.55 82.9,55.55 83.3,55.95 83.3,58.945 82.995,59.25 80.395,59.25 80.15,59.495 80.15,64.305 80.695,64.85 82.605,64.85 83.355,64.1 85.35,64.1 86.275,65.025 86.275,68.78 86.47,68.975 R76.1@86.47,69.4 86.47,69.825 86.275,70.02 86.275,77.625 86.935,78.285 86.935,79.085 v1(86.95,79.1)
TMDS_D2_P: IC7.23 J11.1 M1.75 R77.1 | length 61.4
  Top Layer w0.23: M1.75@73.241,52.449 73.241,54.391 v1(73.35,54.5) ; v1(86.15,79.1) 86.19,79.1 86.39,79.3 86.39,79.325 86.225,79.49 86.225,81.11 86.39,81.275 86.39,84.765 86.403,84.777 86.15,85.03 J11.1@86.15,86.44
  Bottom Layer w0.23: v1@73.35,54.4 73.35,54.2 73.45,54.1 73.85,54.1 74.25,54.5 74.25,57.4 74.65,57.8 75.85,57.8 76.3,57.35 76.3,56.25 76.45,56.1 77.255,56.1 77.45,56.295 77.45,57.1 77.75,57.4 78.95,57.4 79.3,57.05 79.3,56.05 79.45,55.9 80.15,55.9 80.35,56.1 80.35,56.9 80.85,57.4 81.65,57.4 82.1,56.95 82.1,56.045 82.245,55.9 82.755,55.9 82.95,56.095 82.95,58.8 82.85,58.9 80.25,58.9 79.8,59.35 79.8,64.45 80.55,65.2 82.75,65.2 83.5,64.45 85.205,64.45 85.925,65.17 85.925,68.78 85.73,68.975 R77.1@85.73,69.4 85.73,69.825 85.925,70.02 85.925,77.61 85.91,77.625 85.91,78.055 86.42,78.565 86.42,78.83 v1(86.15,79.1)
TMDS_HPD: IC11.3 M1.132 | length 46.4
  Top Layer w0.2: M1.132@56.141,44.249 56.15,44.258 56.15,45.7 56.77,46.32 58.037,46.32 58.45,45.907 58.45,45.9 58.575,45.775 61.281,45.775 62.206,46.7 70.15,46.7 70.65,47.2 70.65,48.8 70.05,49.4 v1(69.35,49.4) ; v1(71.95,57.9) 78.45,57.9 78.85,57.5 83.05,57.5 83.85,58.3 IC11.3@83.85,61.95
  Bottom Layer w0.25: v1(69.35,49.4) 69.35,51.7 68.65,52.4 68.65,54.6 v1(71.95,57.9)
TMDS_HPD_3V3: IC11.12 Q3.3 R29.1 | length 6.8
  Top Layer w0.2: Q3.3@82.75,70.75 82.75,69.72 R29.1@82.73,69.7 82.73,68.12 83.85,67 IC11.12@83.85,64.45
UART1_RX: IC8.38 M1.153 | length 34.4
  Top Layer w0.2: IC8.38@48.25,77.85 48.9,77.85 49.05,78 50.35,78 50.65,77.7 50.65,75.6 53.25,73 53.25,71.2 53.95,70.5 53.95,67.6 56.25,65.3 56.25,61 v1(56.15,61.1) ; M1.153@49.841,52.449 49.841,54.191 53.55,57.9 v1(53.55,59.7)
  Bottom Layer w0.25: v1(53.55,59.7) 55.692,59.7 56.275,60.283 56.275,60.975 v1(56.15,61.1)